# KiCad board usbc-car-module.kicad_pcb (continued)
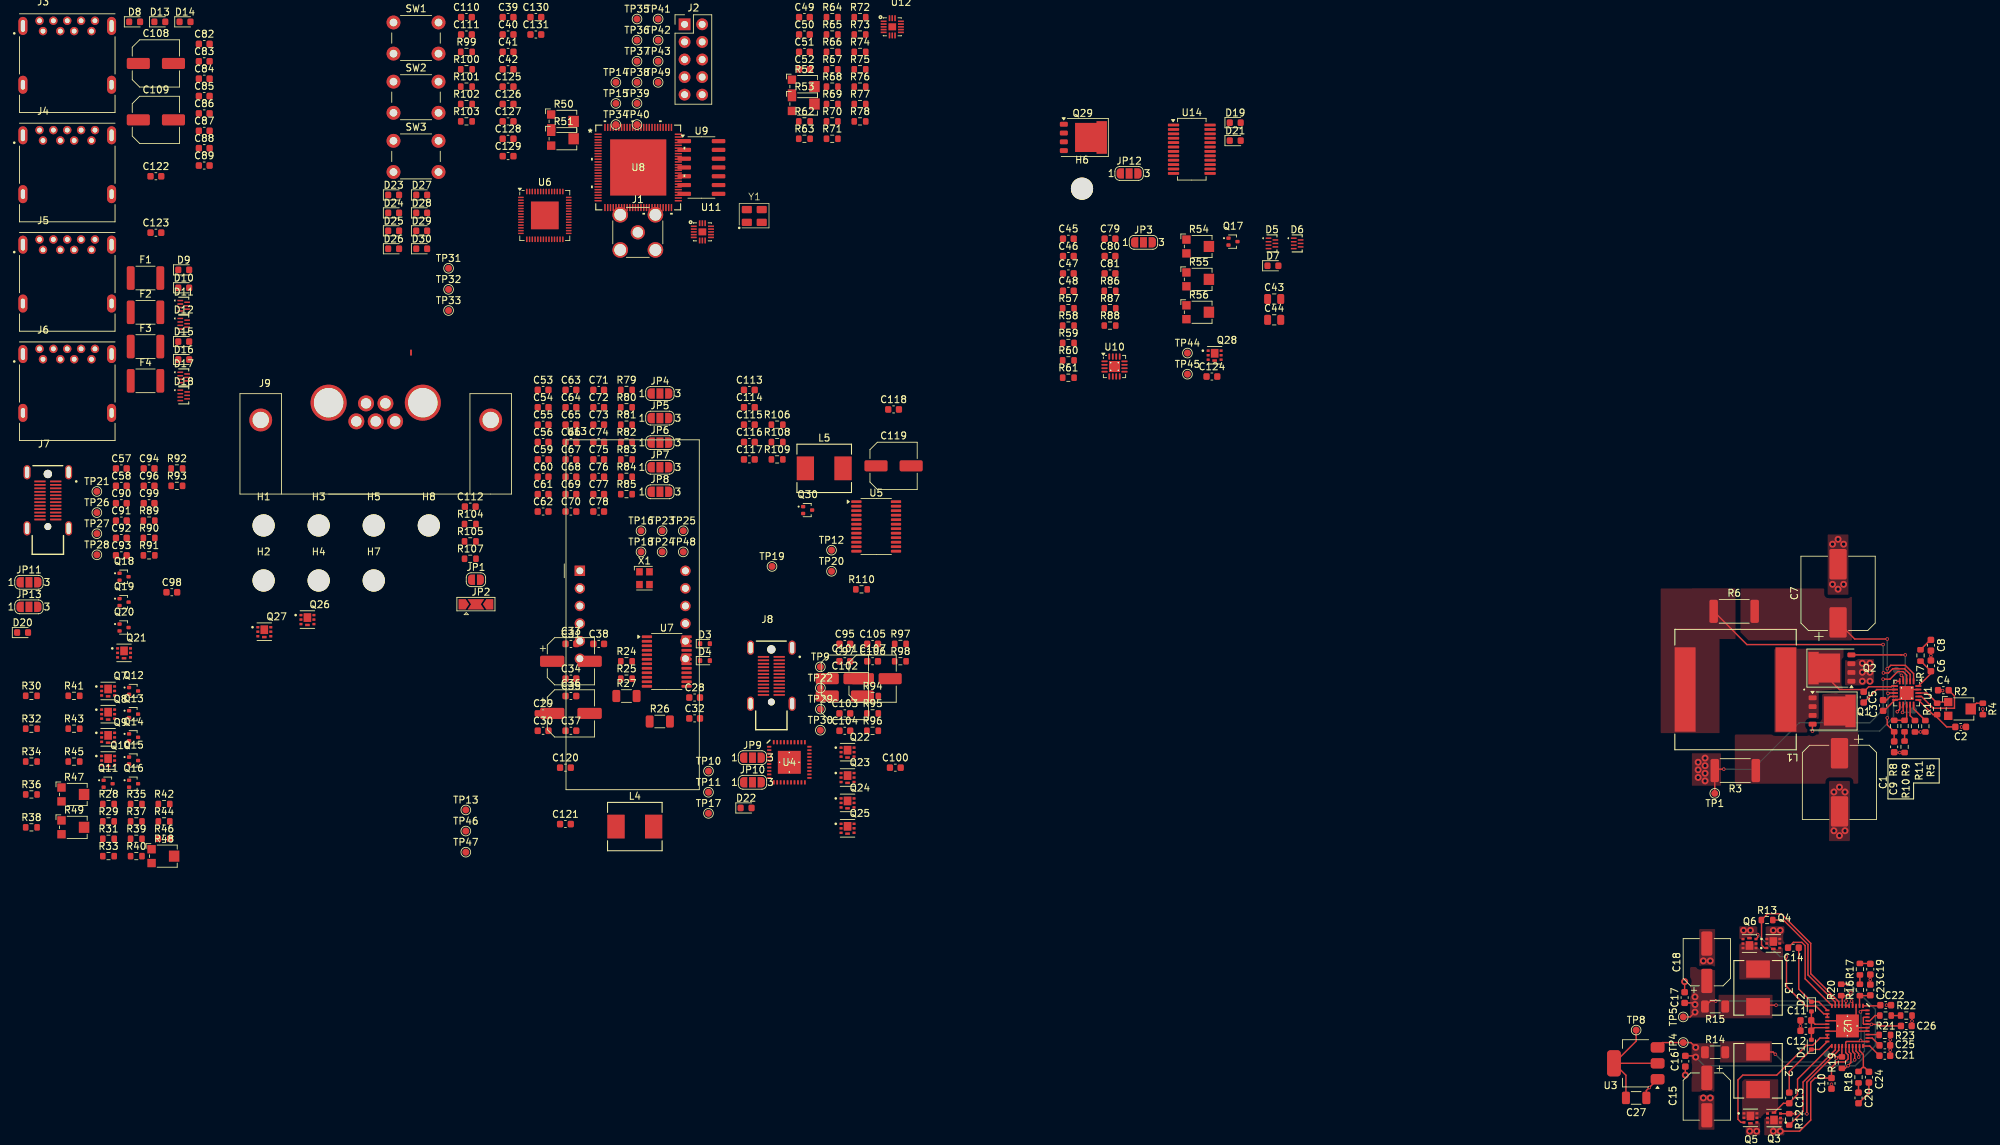
[diagram p0: board, top side]
## Nets (continued)
Net-(U11-EN_SRC): R96.1 TP40.1 U11.16
Net-(U11-FAULT_N): R94.1 U11.11
Net-(U11-FRS_EN): TP37.1 U11.1
Net-(U11-ILIM_5V_VBUS): TP39.1 U11.6
Net-(U11-SLV_ADDR): TP41.1 U11.5
Net-(U12-BYPASS): C128.1 U12.4
Net-(U12-EN_SINK1): R98.1 TP44.1 U12.2
Net-(U12-EN_SRC): R102.1 TP46.1 U12.16
Net-(U12-FAULT_N): R100.1 U12.11
Net-(U12-FRS_EN): TP43.1 U12.1
Net-(U12-ILIM_5V_VBUS): TP45.1 U12.6
Net-(U14-DIG4): TP47.1 U14.7
Net-(U14-DIG5): TP48.1 U14.8
Net-(U14-ISET): R104.2 U14.13
Net-(U14-KEYB): TP49.1 U14.12

Pads without a net: D17 3 6; D18 3 6; J4 6; J7 A8 B8 S1 S2 S3 S4; J8 A8 B8 S1 S2 S3 S4; R2 3; R47 3; R48 3; R49 3; R50 3; R51 3; R52 3; R53 3; R54 3; R55 3; R56 3; U6 29 31 32 33 34 35 36; U8 4 21 22 56 79 80; U9 7

## Via types
v1: diameter 0.5, hole 0.3, Top to Bottom, 47 vias
v2: diameter 1, hole 0.5, Top to Bottom, 44 vias

## Routing (per net, layer and track width the routed paths; a pad name or vN(x,y) marks a point on that pad's centre or on a via; arc(x,y) is an arc through that point)
5V_CSN: length 14.6
  Top w0.2: v1(264.02,17.1) 264.17,16.95 U2.4 ; L3.2 250.74,16.5 v1(253.12,16.5)
  Bottom w0.2: v1(264.02,17.1) 263.42,16.5 v1(253.12,16.5)
21V_COMP: length 5
  Top w0.2: U1.20 275.47,64.41 C6.1 274.02,66.2 R7.1
+1V2: length 18.1
  Top w0.2: U3.2 231.44,6.38 231.44,3.1 ; U3.2 U3.2 ; U3.2 232.92,11.3 TP8.1
+3V3: length 51.1
  Top w0.2: R20.2 263.39,19.53 v1(263.42,19.5) ; C16.1 241.34,9.18 v2(241.52,9) ; v2(241.52,10.4) 240.82,11.1 TP4.1 236.72,11.1 U3.3 ; R19.1 263.09,7.38 263.92,8.2 263.92,9.48 263.67,9.73 U2.26
  Bottom w0.2: v1(263.42,19.5) 263.85,19.5 267.45,15.9 267.45,10.64 264.56,7.75 v1(263.52,7.75) 242.77,7.75 v2(241.52,9)
+5V: length 25.5
  Top w0.2: R15.2 243.66,17.1 v1(244.42,17.1) ; v2(241.42,15.5) 240.72,14.8 TP5.1 ; v1(263.22,17.1) 263.17,17.05 U2.6 U2.5 ; v2(241.42,16.6) 241.19,16.83 C17.1
  Bottom w0.2: v1(263.22,17.1) v1(244.42,17.1)
  vias: v2(241.42,17.7)
+21V: length 70
  Top w0.2: v1(268.57,63.59) 269.57,63.59 270.66,64.69 271.45,64.69 271.97,64.17 U1.3 ; TP1.1 R3.2 244.47,50.59 v1(245.57,50.59) ; U2.40 265.51,15.75 v1(265.3,15.54) ; v2(253.72,-1.7) 256.52,-1.7 258.12,-0.1 258.12,5.37 258.73,5.97 C10.2 261.12,7.5 261.92,8.3 263.08,8.3 263.52,8.74 263.52,9.31 263.17,9.66 U2.25 263.17,11.13 263.29,11.25 265.17,11.25 v1(265.32,11.4) 265.47,11.25 U2.31
  Bottom w0.2: v1(265.32,11.4) 265.37,11.45 265.37,15.47 v1(265.3,15.54) ; v1(245.57,50.59) 249.77,50.59 256.47,57.3 266.67,57.3 268.57,59.2 v1(268.57,63.59)
  vias: v2(241.87,51.59) v2(241.87,50.5) v2(241.87,49.4) v2(242.87,52.2) v2(242.87,51.09) v2(242.87,50) v2(242.87,48.9) v2(252.72,27.3) v2(252.72,-1.7) v2(253.72,27.3)
/12-21V INPUT BOOST CONVERTER/21V_COMP_1: length 2.1
  Top w0.2: 273.97,67.84 275.39,69.27 C8.1
/12-21V INPUT BOOST CONVERTER/21V_VCC: length 1.9
  Top w0.2: U1.9 269.6,61.09 269.07,60.57 C3.1
GND: length 47.5
  Top w0.2: U3.1 v1(234.82,4.6) 234.39,4.18 C27.2 ; R22.2 v1(272.74,14.2) 272.74,13.55 C26.1 ; R5.1 v1(273.97,55.97) R11.2 ; 256.64,14.3 v1(256.64,13.5) 256.64,12.8 ; C2.2 279.91,56.7 v1(279.89,56.68) ; R23.2 269.59,12.15 v1(269.59,11.5) v1(269.59,10) 269.59,9.2 ; C20.1 v1(266.46,3.76) 266.52,3.83 C24.1 ; U1.19 272.47,62.09 U1.21 271.04,60.67 270.36,60.67 U1.10 268.71,59.02 C3.2 ; R4.2 v1(282.97,59.27) ; v1(277.14,61.94) 277.09,62 C4.1 ; U2.14 262.67,14.25 U2.41 ; C17.2 v2(239.92,19.9) ; U2.34 264.17,12.75 U2.41 ; C16.2 v2(240.02,6.4) ; U2.41 262.67,12.75 U2.17 ; U2.41 264.67,14.75 U2.3 ; U2.41 263.67,13.25 U2.35 ; C23.2 v1(266.72,20.2) C19.2 ; C22.1 v1(269.07,16.5) ; R10.2 v1(270.97,53) 270.22,53 C9.2 ; C10.1 v1(261.12,5.08) ; C6.2 v1(275.47,67) C8.2
  vias: v2(242.62,22.9) v2(242.62,3.1) v2(243.62,22.9) v2(243.62,3.1) v2(248.42,27.3) v2(249.32,-1.7) v2(249.42,27.3) v2(250.32,-1.7) v2(261.27,83.09) v2(261.27,77.3) v2(261.47,47.3) v2(261.47,41.7) v2(262.07,83.8) v2(262.07,76.59) v2(262.27,48) v2(262.27,41) v2(262.87,83.09) v2(262.87,77.3) v2(263.07,47.3) v2(263.07,41.7) v2(265.57,65.9) v2(265.57,64.59) v2(265.57,63.3) v2(266.67,65.9) v2(266.67,64.59) v2(266.67,63.3)
VDDA_U2: length 14.3
  Top w0.2: v1(265.04,9.01) 265.04,9.49 264.67,9.87 U2.28 ; U2.38 265.79,14.75 265.72,14.68 265.72,13.82 265.79,13.75 U2.36 266.88,13.75 v1(266.9,13.73) 267.97,13.73 268.2,13.5 271.14,13.5
  Bottom w0.2: v1(265.04,9.01) 265.87,9.84 265.87,12.67 266.9,13.7 v1(266.9,13.73)
/12-21V INPUT BOOST CONVERTER/CSN: length 36
  Top w0.2: v1(268.57,68.59) 248.91,68.59 R6.1 ; v1(268.62,64.5) 269.35,64.5 269.94,65.09 271.68,65.09 272.47,64.3 U1.2
  Bottom w0.2: v1(268.62,64.5) 268.57,64.55 v1(268.57,68.59)
/12-21V INPUT BOOST CONVERTER/HB: length 5.3
  Top w0.2: U1.7 267.64,62.09 C5.1
/12-21V INPUT BOOST CONVERTER/HI_SW: length 19.4
  Top w0.2: v1(258.37,56.09) 258.37,57.07 Q1.4 ; v1(270.37,63.2) 270.46,63.28 U1.5
  Bottom w0.2: v1(270.37,63.2) 270.07,62.9 270.07,58.09 268.07,56.09 v1(258.37,56.09)
/12-21V INPUT BOOST CONVERTER/LO_SW: length 17.6
  Top w0.2: U1.11 270.97,59.3 270.87,59.2 270.87,59.15 v1(270.62,58.9) ; Q2.4 271.16,67.1 271.17,67.09 v1(271.77,67.09)
  Bottom w0.2: v1(270.62,58.9) 270.62,58.95 271.77,60.1 271.77,60.79 271.77,60.8 v1(271.77,67.09)
/12-21V INPUT BOOST CONVERTER/RT: length 3
  Top w0.2: U1.15 272.97,59.32 R5.2
/12-21V INPUT BOOST CONVERTER/SS: length 8.9
  Top w0.2: C4.2 278.87,61.17 278.87,59.39 275.81,59.39 274.11,61.09 U1.17
/12-21V INPUT BOOST CONVERTER/SW: length 12
  Top w0.2: Q2.5 261.27,63.09 262.26,62.09 265.87,62.09 ; C5.2 266.49,62.5 269.73,62.5 269.83,62.59 U1.6
/12-21V INPUT BOOST CONVERTER/TRK: length 5
  Top w0.2: R2.1 276.54,60.3 R1.2 274.89,61.59 U1.18
/12-21V INPUT BOOST CONVERTER/UVLO/EN: length 3.9
  Top w0.2: R8.2 R9.1 271.97,57.95 U1.13
/12-21V INPUT BOOST CONVERTER/VREF: length 7.2
  Top w0.2: C2.1 277.74,56.7 276.37,58.07 R1.1 275.78,58.47 U1.16
/USBA_PORTS/P4_TX_N: length 0.6
  Top w0.267: 56.06,111.08 56.06,110.45
CAR_12V_IN: length 30
  Top w0.2: v1(269.17,58) 269.17,57 R8.1 C9.1 ; U1.1 272.97,64.4 271.77,65.59 269.67,65.59 v1(269.17,65.09) ; C7.1 264.47,69.4 v1(269.17,69.4) ; v1(269.27,61.55) 269.32,61.59 U1.8
  Bottom w0.2: v1(269.17,58) 269.27,58.09 v1(269.27,61.55) 269.17,61.65 v1(269.17,65.09) v1(269.17,69.4)
MAIN BOOST CLOCK IN: length 2.6
  Top w0.2: R11.1 272.47,58.32 U1.14
Net-(C19-Pad1): length 1.5
  Top w0.2: R17.2 266.67,22.53 C19.1
Net-(C20-Pad2): length 1.4
  Top w0.2: C20.2 R18.1
Net-(D1-A): length 9.2
  Top w0.2: C12.1 258.64,13.25 U2.16 ; U2.15 258.74,13.75 C11.1 ; D2.2 D1.2
Net-(D1-K): length 10.3
  Top w0.2: C13.2 255.02,6.9 D1.1 259.37,10.1 U2.20
Net-(D2-K): length 11.4
  Top w0.2: C14.1 256.39,18.83 D2.1 259.27,17 U2.11
Net-(Q3-G): length 15.5
  Top w0.2: v1(255.89,0.83) 255.02,0.83 R12.1 253.78,0.83 Q3.3 ; v1(257.57,0.8) 257.57,5.38 262.17,9.98 U2.23
  Bottom w0.2: v1(255.89,0.83) 255.92,0.8 v1(257.57,0.8)
Net-(Q4-G): length 24.3
  Top w0.2: U2.8 262.17,16.99 258.12,21.04 258.12,25.43 253.85,29.7 251.89,29.7 R13.2 ; Q4.3 251.44,24.77 251.02,25.19 251.02,28.6
Net-(Q5-G): length 22.7
  Top w0.2: Q5.3 248.07,-0.44 247.62,0.02 247.62,5.7 248.32,6.4 253.22,6.4 257.52,10.7 ; U2.18 U2.19 259.46,11.75 258.41,10.7 257.52,10.7 ; 257.52,10.7 257.42,10.7
Net-(Q6-G): length 18.6
  Top w0.2: U2.13 U2.12 259.99,15.25 258.87,16.37 257.45,16.37 254.62,19.2 v1(254.62,23.5) ; v1(250.47,26.7) 250.47,26.3 Q6.3
  Bottom w0.2: v1(254.62,23.5) 253.67,23.5 v1(250.47,26.7)
Net-(R2-Pad2): length 2.1
  Top w0.2: R4.1 282.04,60.12 R2.2
Net-(R10-Pad1): length 1.3
  Top w0.2: R9.2 R10.1
Net-(R16-Pad2): length 1.3
  Top w0.2: R16.2 R17.1
Net-(R21-Pad2): length 1.4
  Top w0.2: R21.2 R22.1
Net-(U1-MODE): length 2.9
  Top w0.2: U1.12 271.47,58.9 v1(271.37,58.8)
  Bottom w0.2: v1(271.37,58.8) 272.67,58.8 TP3.1
Net-(U1-PGOOD): length 2
  Top w0.2: v1(271.22,64.14) 271.47,63.89 U1.4
  Bottom w0.2: v1(271.22,64.14) 271.22,64.15 TP2.1
Net-(U2-COMP1): length 5.3
  Top w0.2: 265.72,7.5 265.72,9.38 265.17,9.93 U2.29 ; C24.2 265.9,7.5 265.59,7.5 R18.2
Net-(U2-COMP2): length 3
  Top w0.2: C23.1 266.67,17.88 R16.1 265.17,17.83 U2.2
Net-(U2-CS1): length 16.8
  Top w0.2: v1(264.47,8.6) 264.47,9.5 264.17,9.8 U2.27 ; L2.1 252.68,9.74 v1(253.02,9.4)
  Bottom w0.2: v1(264.47,8.6) 264.17,8.3 254.12,8.3 v1(253.02,9.4)
Net-(U2-DEMB): length 1.7
  Top w0.2: R23.1 267.94,12.25 U2.33
Net-(U2-HO1): length 14.2
  Top w0.2: R12.2 257.02,1.18 257.02,5.4 261.67,10.05 U2.22
Net-(U2-HO2): length 17
  Top w0.2: R13.1 254.19,28.8 257.72,25.27 257.72,20.88 261.67,16.93 U2.9
Net-(U2-PG1): length 4.1
  Top w0.2: U2.24 262.62,10.55 R19.2 261.99,9.03 v1(261.81,8.85)
  Bottom w0.2: TP7.1 261.16,9.5 v1(261.81,8.85)
Net-(U2-PG2): length 3.1
  Top w0.2: U2.7 262.67,17.72 R20.1 263.49,17.88 v1(263.92,18.3)
Net-(U2-RES): length 2.2
  Top w0.2: C25.2 266.99,11.75 U2.32
Net-(U2-RT): length 2.1
  Top w0.2: U2.37 266.67,14.25 267.42,15 R21.1
Net-(U2-SS1): length 3
  Top w0.2: C21.2 266.64,10.6 U2.30
Net-(U2-SS2): length 2.5
  Top w0.2: U2.1 268.07,16.4 C22.2
Net-(U2-SW1): length 13.7
  Top w0.2: U2.21 261.02,10.6 256.22,5.8 256.22,3.6 255.02,2.4 C13.1 254.17,2.33 Q3.8
Net-(U2-SW2): length 13.3
  Top w0.2: U2.10 261.17,16.45 257.32,20.3 257.32,25.1 256.84,25.58 255.62,25.58 C14.2 ; 253.69,24.72 Q4.4

## Copper pours and planes (outline as drawn; the poured copper is in the pictures)
5V_CSN on Top: 252.62,14.6 244.82,14.6 244.82,18 252.62,18
21V_CSN on Top: 264.97,61.8 264.97,48.5 247.17,48.5 247.17,55.59 259.27,55.59 259.27,61.9
+3V3 on Top: 244.22,4 244.22,11 240.92,11 240.92,4
+5V on Top: 244.32,22 244.32,14.7 240.72,14.7 240.72,22
+21V on Top: 245.17,48.2 240.97,48.2 240.97,52.9 245.17,52.9
+21V on Top: 254.32,27.9 254.32,25 251.32,25 251.32,27.9
+21V on Top: 254.32,0.6 254.32,-2.3 251.42,-2.3 251.42,0.6
GND on Top: 263.07,62.7 267.27,62.7 267.27,66.59 263.07,66.59
GND on Top: 250.82,-0.1 250.82,-2.3 248.72,-2.3 248.72,-0.1
GND on Top: 247.82,25.7 247.82,27.9 250.62,27.9 250.62,25.7
GND on Top: 244.32,27.5 244.32,22 242.02,22 242.02,27.5
GND on Top: 263.77,48.9 260.77,48.9 260.77,40.2 263.77,40.2
GND on Top: 263.57,84.5 260.57,84.5 260.57,75.8 263.57,75.8
GND on Top: 241.92,-1.5 241.92,4 244.22,4 244.22,-1.5
GND on In1.Cu: -61.68,175.3 356.42,181.2 329.92,-111.3 -126.38,-52.5
/12-21V INPUT BOOST CONVERTER/CSN on Top: 244.97,55.8 236.47,55.8 236.47,76.7 247.27,76.73 247.27,69.4 244.97,69.4
/12-21V INPUT BOOST CONVERTER/SW on Top: 259.27,55.9 252.87,55.9 252.87,68.4 262.87,68.4 262.87,62.2 259.27,61.9
CAR_12V_IN on Top: 264.07,68.9 247.97,68.9 247.97,76.7 264.07,76.7
Net-(U2-CS1) on Top: 252.52,11.3 252.52,8.2 245.02,8.2 245.02,11.3
Net-(U2-SW1) on Top: 253.42,5.8 253.42,0.6 251.42,0.6 250.82,-0.1 248.02,-0.1 248.02,5.8
Net-(U2-SW2) on Top: 254.12,20.2 247.82,20.2 247.82,25.7 250.62,25.7 251.32,25 254.12,25
